# Allegro board NewTMR-March-2-2026 - Copy.brd (continued)
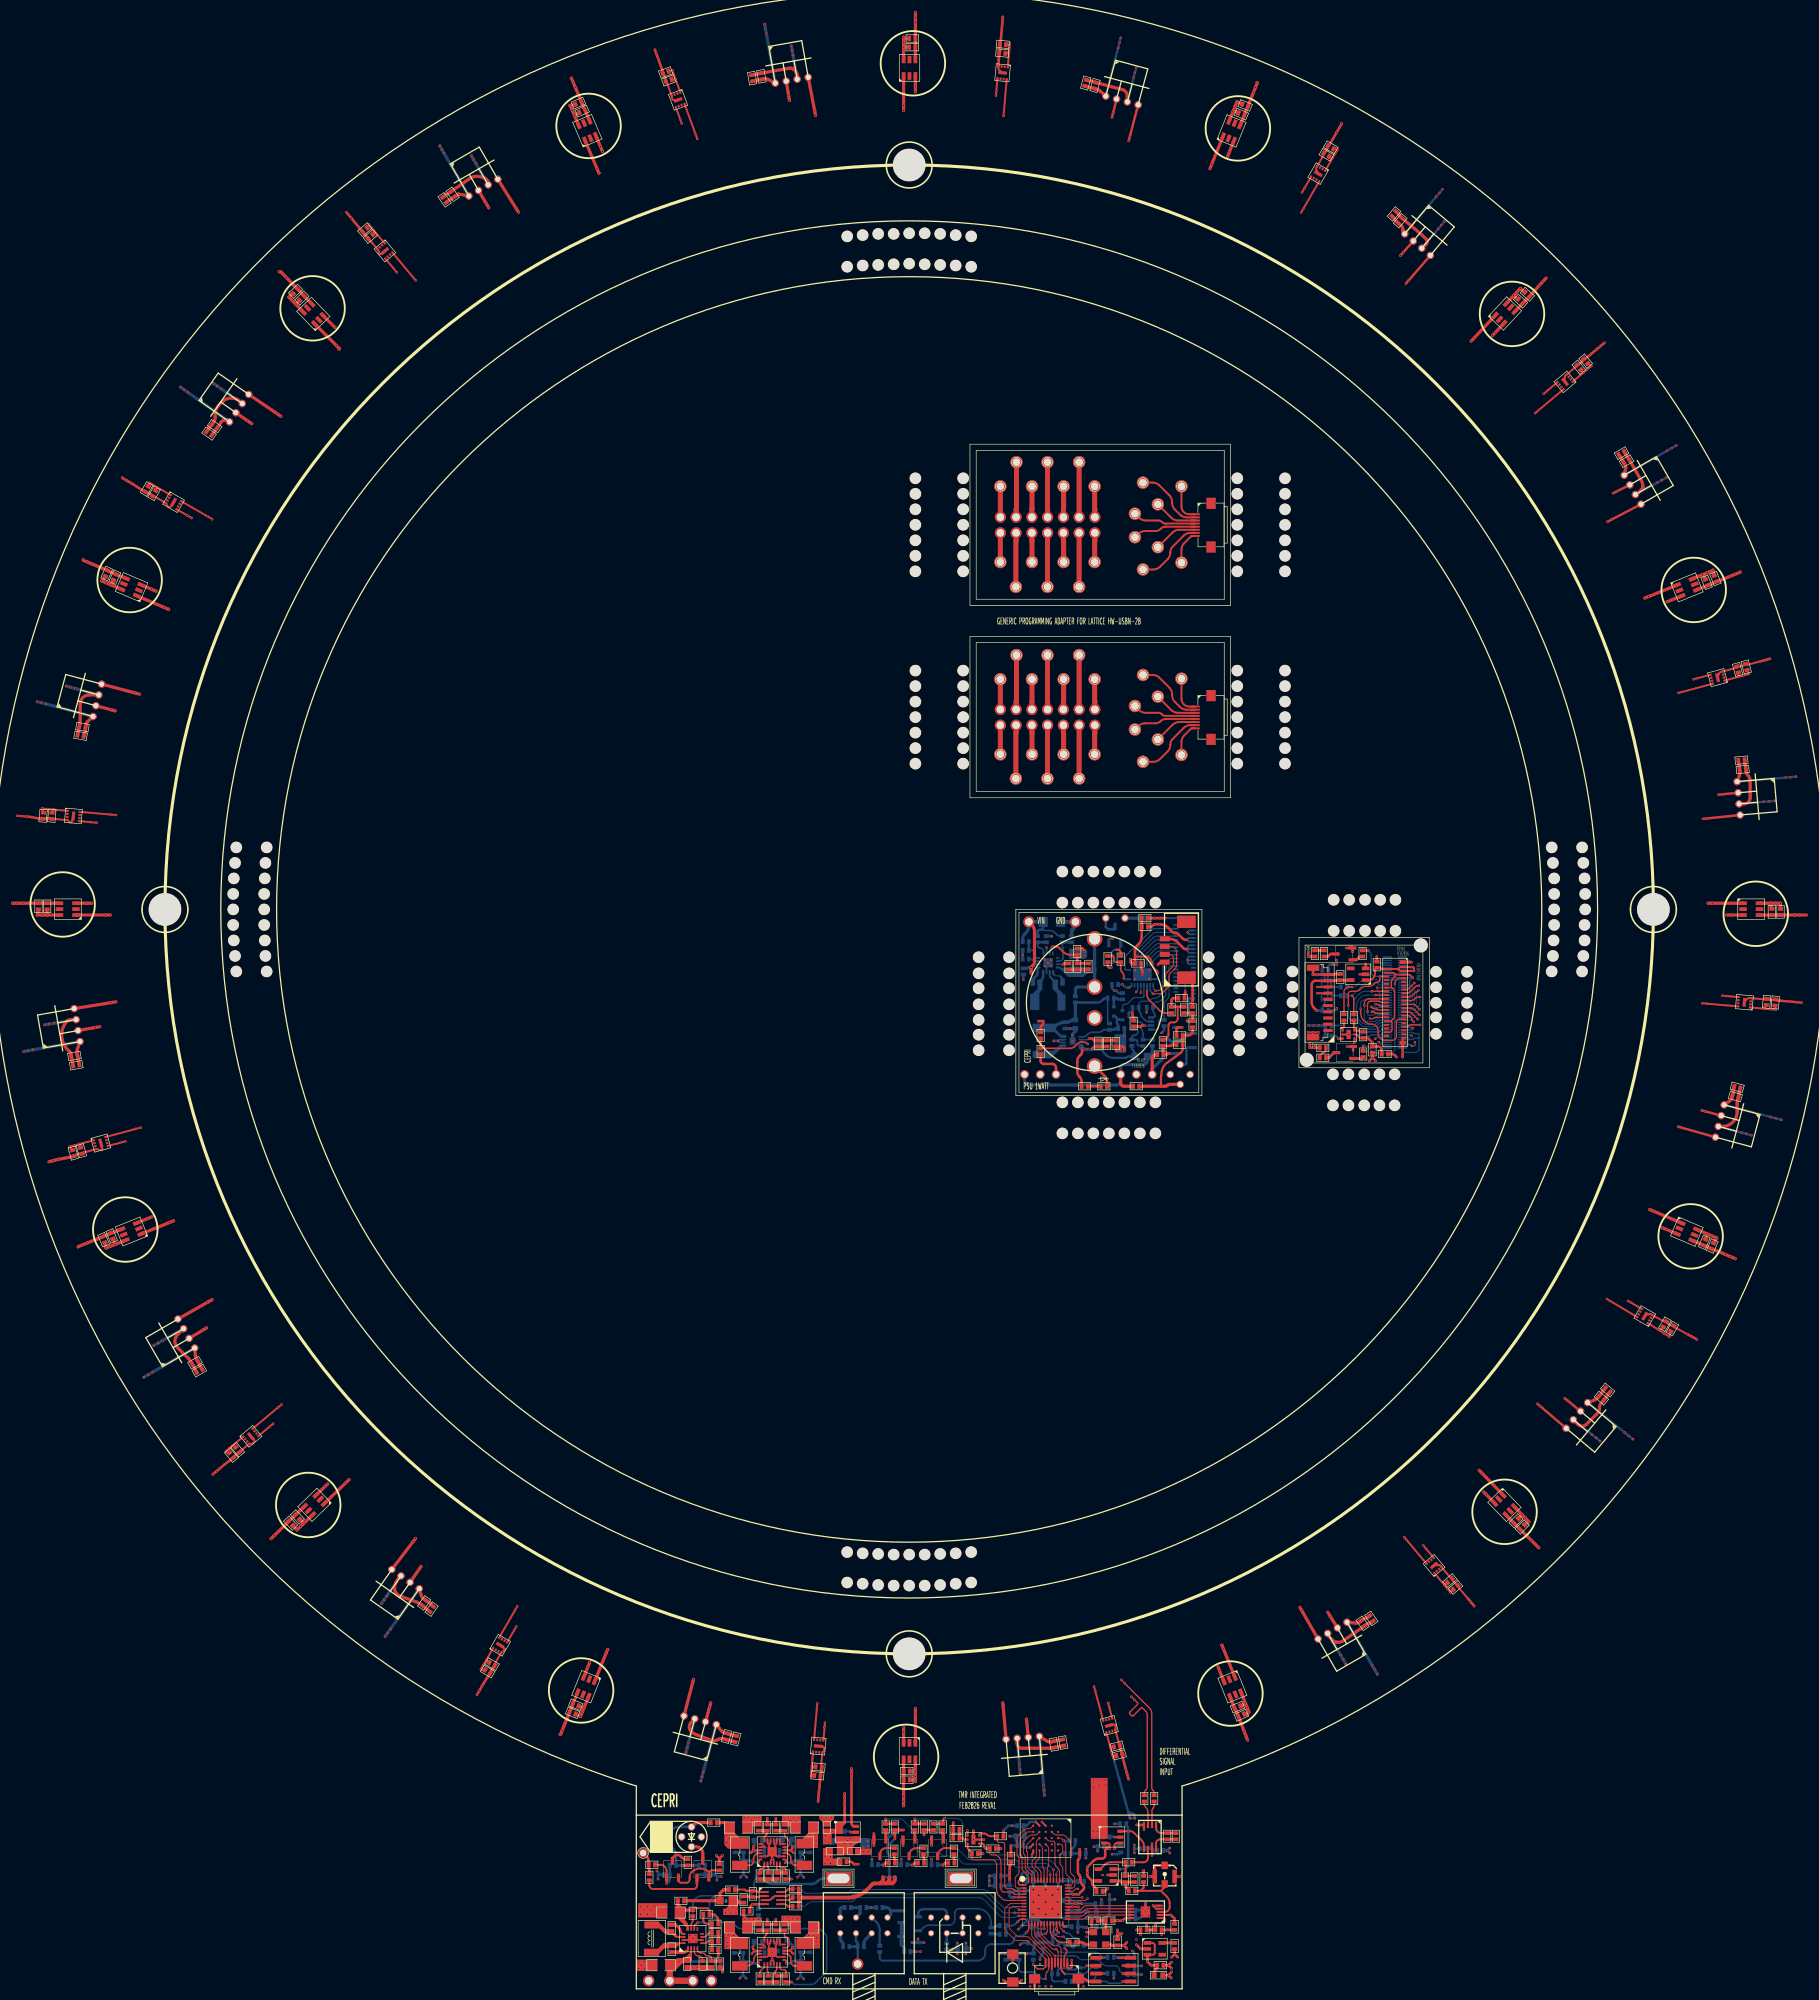
[diagram p0: board, top side]
## Routing (per net, layer and track width the routed paths; a pad name or vN(x,y) marks a point on that pad's centre or on a via; arc(x,y) is an arc through that point) (continued)
  TOP w0.4: v1(180.1,9.1) C118.2 C117.2 v1(178.7,9.1) ; v1(131.1,34.3) v1(131.1,33.4) v1(131.1,32.6) 131.1,25.45 arc(131.23,25.13) 131.55,25 U49.6
  TOP w0.5: v1(192.6,301.39) 192.88,301.46 C14.1 ; v1(192.6,301.39) 192.93,302.19 ; v1(192.6,301.39) U7.6 ; C11.1 v1(85.7,302.4) 85.75,302.38 v1(86.07,301.62) v1(86.43,300.79) ; U30.6 v1(12.42,118.82) ; v1(12.42,118.82) v1(11.69,118.53) v1(10.9,118.21) C60.1 ; v1(12.42,118.82) C59.1 ; C50.1 v1(280.9,173.8) v1(280,173.8) v1(279.2,173.8) ; U19.6 v1(268.33,226.76) ; v1(268.33,226.76) v1(269.14,227.09) 269.97,227.42 v1(270,227.5) C37.1 ; v1(268.33,226.76) 268.56,226.63 C38.1 ; C31.1 256.06,245.98 C32.1 258.45,241.93 arc(258.64,241.47) 258.7,240.98 258.7,240.86 arc(258.67,240.71) 258.59,240.59 257.79,239.79 arc(257.67,239.71) 257.52,239.68 U16.3 ; U22.3 275.02,189.81 arc(275.71,190.1) 276,190.8 276,193.49 arc(275.89,194.04) 275.58,194.51 275.56,194.52 arc(275.41,194.75) 275.33,195.01 C44.1 275.24,196.07 275.16,196.23 C43.1 ; v1(1.4,171.9) v1(0.6,171.9) v1(-0.2,171.9) C47.1 ; v1(1.4,171.9) U24.6 ; v1(1.4,171.9) C48.1 ; C49.1 v1(279.2,173.8) ; v1(279.2,173.8) U25.6 ; C88.1 111.6,38.8 C87.1 110.38,39.11 arc(110.05,39.14) 109.74,39.06 109.46,38.93 arc(108.97,38.81) 108.46,38.89 106.14,39.74 arc(105.65,39.98) 105.23,40.32 arc(104.93,41.03) 105.23,41.74 U44.3 ; U3.3 122.35,307.3 arc(122.28,307.63) 122.09,307.91 121.8,308.2 arc(121.77,308.23) 121.73,308.26 arc(121.41,308.4) 121.06,308.4 C6.1 115.79,307.48 115.71,307.42 C7.1 ; C72.1 239.04,75.04 arc(239.08,75.08) 239.11,75.12 v1(239.21,75.24) ; C12.1 v1(193.25,303) v1(192.91,302.15) ; C89.1 164.6,37.88 164.6,37.84 C90.1 163.35,37.62 arc(163.13,37.59) 162.91,37.58 158.57,37.58 arc(158.03,37.8) 157.81,38.33 U46.3 ; U27.3 5.14,155.05 arc(4.87,154.99) 4.64,154.84 4.6,154.8 arc(3.75,152.38) 4.85,150.06 4.97,149.96 arc(5.14,149.74) 5.23,149.48 C53.1 5.42,148.43 5.48,148.27 C54.1 ; U13.6 v1(41.49,270.36) ; v1(41.49,270.36) 41.49,270.39 C25.1 ; v1(41.49,270.36) v1(40.89,270.97) v1(40.38,271.5) 40.98,272.1 C23.1 ; C96.1 141.1,32.5 v1(141.4,32.2) v1(141.4,33) v1(141.4,33.8) ; U12.6 v1(237.87,271.75) ; v1(237.87,271.75) v1(238.4,272.33) v1(238.94,272.9) 239.54,272.3 C24.1 ; v1(237.87,271.75) 238.42,271.2 C26.1 ; U37.6 v1(239.21,75.24) ; v1(239.21,75.24) v1(239.77,74.67) v1(240.32,74.1) C74.1 ; U40.3 207.88,56.02 arc(207.92,55.83) 208.03,55.67 208.85,54.85 arc(208.98,54.76) 209.12,54.71 209.3,54.68 arc(209.88,54.69) 210.4,54.92 C80.1 214.35,57.69 214.65,57.71 C79.1 ; C55.1 274.22,143.35 274.28,143.15 C56.1 273.99,142.07 arc(273.92,141.75) 273.9,141.42 273.9,140.17 arc(273.21,138.51) 271.56,137.82 U28.3 ; C67.1 253.03,94.56 arc(252.97,94.48) 252.92,94.38 252.88,94.32 arc(252.83,94.22) 252.77,94.14 C68.1 251.99,93.21 arc(251.77,92.84) 251.7,92.42 251.7,92.35 arc(251.62,91.93) 251.39,91.59 249.59,89.79 arc(248.91,89.51) 248.24,89.79 U34.3 ; U6.6 v1(86.43,300.79) ; v1(86.43,300.79) C13.1 ; C61.1 v1(269.04,120.5) ; v1(269.04,120.5) U31.6 ; v1(269.04,120.5) v1(269.8,120.18) 270.58,119.85 v1(270.6,119.8) C62.1 ; U9.3 72.52,289.94 arc(72.47,290.16) 72.35,290.35 72.17,290.53 arc(71.87,290.75) 71.52,290.87 71.01,290.96 arc(70.25,290.94) 69.55,290.63 C17.1 65.86,288.05 65.65,288.05 C18.1 ; 139.5,311.68 v1(139.5,311.7) v1(139.5,312.6) v1(139.5,313.4) 139.7,313.2 C1.1 ; 139.5,311.68 U1.6 ; 139.5,311.68 139.62,311.8 C3.1 ; C9.1 C10.1 174.76,304.96 arc(175.35,304.56) 175.58,303.89 U5.3 ; 10.22,225.75 v1(10.96,225.44) v1(11.71,225.12) ; 10.22,225.75 C35.1 ; 10.22,225.75 v1(10.2,225.8) ; C84.1 194.09,44.4 v1(194.59,44.9) ; C83.1 87.66,44.17 arc(87.73,44.15) 87.8,44.13 v1(87.97,44.1) ; v1(141.4,33.8) 141.3,33.9 C94.1 ; v1(141.4,33.8) U48.6 ; C86.1 194.9,43.1 v1(195.19,43.4) v1(194.88,44.18) v1(194.59,44.9) ; v1(194.59,44.9) U43.6 ; C71.1 v1(42.87,73.91) ; v1(42.87,73.91) U36.6 ; v1(42.87,73.91) v1(42.26,73.33) v1(41.7,72.79) C73.1 ; C85.1 v1(87.4,42.68) v1(87.7,43.41) v1(87.97,44.1) ; C42.1 6.45,201.68 C41.1 6.7,202.85 arc(6.73,203.07) 6.73,203.28 6.73,205.93 arc(7.16,206.95) 8.18,207.38 U21.3 ; C19.1 219.43,284.77 219.43,284.67 C20.1 223.06,281.55 223.8,280.81 arc(223.95,280.45) 223.8,280.1 223.72,280.02 223.69,280.02 U10.3 ; U42.6 v1(87.97,44.1) ; v1(11.71,225.12) U18.6 ; v1(11.71,225.12) C36.1 ; U33.3 22.44,104.26 arc(22.01,103.21) 22.44,102.15 24.16,100.43 arc(24.38,100.19) 24.56,99.91 C65.1 25.14,98.91 25.16,98.79 C66.1 ; U15.3 32.61,254.61 arc(31.11,255.23) 29.61,254.61 29.1,254.1 arc(28.65,253.44) 28.5,252.66 28.5,252.1 arc(28.44,251.73) 28.28,251.4 C29.1 27.5,250.5 27.5,250.37 C30.1 ; U39.3 58.08,65 arc(57.83,64.68) 57.64,64.3 57.5,63.9 arc(57.55,62.82) 58.35,62.09 60.95,61.16 arc(61.25,61.03) 61.54,60.85 C77.1 C78.1
  VCC w0.5: v1(178.7,9.1) v1(180.1,9.1) 180.74,9.74 arc(181.15,10.36) 181.3,11.1 181.3,12.79 arc(181.49,13.72) 182.01,14.51 182.04,14.54 arc(182.53,15.27) 182.7,16.14 182.7,16.86 arc(182.84,17.54) 183.22,18.12 183.28,18.18 arc(183.52,18.53) 183.6,18.96 183.6,22.36 arc(183.41,23.32) 182.87,24.13 181.43,25.57 arc(180.62,26.11) 179.66,26.3 v1(176.8,26.3) v1(176,26.3)
  BOTTOM w0.38: U28.3 v1(274.6,136.83) v1(275.37,136.62) v1(276.2,136.4) ; U34.3 v1(250.52,88.12) v1(251.16,87.61) v1(251.8,87.1) ; U5.3 v1(176.59,306.9) v1(176.79,307.7) v1(177,308.5) ; U16.3 v1(261.04,241.61) v1(261.76,242) v1(262.5,242.4) ; v1(226.7,283.7) v1(226.17,283.08) v1(225.71,282.53) U10.3 ; U22.3 v1(278.17,190.15) v1(279.09,190.22) v1(280,190.3)
  BOTTOM w0.4: v1(172.83,37.76) v1(173.05,36.94) v1(173.3,36.1) 175.72,27.31 ; 175.72,27.31 v1(176,26.3) v1(176.8,26.3) 176.7,26.9 175.72,27.31
  BOTTOM w0.5: U33.3 v1(20,103.29) v1(19.3,102.9) v1(18.6,102.5) ; U3.3 v1(121.67,310.49) v1(121.54,311.23) v1(121.4,312) ; U27.3 v1(2.47,154.44) v1(1.71,154.32) v1(1,154.2) ; U44.3 v1(104.81,38.47) v1(104.61,37.69) v1(104.4,36.9) ; v1(4.5,208.8) v1(5.15,208.62) v1(5.96,208.4) U21.3 ; v1(210.8,51.2) v1(210.38,51.91) v1(209.96,52.62) U40.3 ; v1(158.3,33.4) v1(158.23,34.21) v1(158.17,34.97) U46.3 ; v1(28.2,257.6) v1(28.81,257.18) v1(29.5,256.69) U15.3 ; v1(55.3,60.9) v1(55.74,61.52) v1(56.19,62.16) U39.3 ; v1(69.8,294.3) v1(70.14,293.72) v1(70.5,293.09) U9.3
SCL: length 14
  TOP w0.16: R17.1 153.4,20.7 arc(153.49,20.49) 153.7,20.4 154.02,20.4 arc(154.46,20.31) 154.83,20.06 arc(155.1,19.65) 155.2,19.17 155.2,14.89 arc(155.34,14.54) 155.69,14.4 156.63,14.4 arc(156.97,14.33) 157.26,14.14 157.29,14.11 arc(157.36,14.06) 157.44,14.05 U57.4
  TOP w0.3: R17.1 152.7,21.4 152.5,21.6 152.5,21.91 arc(152.41,22.12) 152.2,22.21 U53.1
SCL2: length 41.9
  TOP w0.16: U57.11 v1(158.1,10.55)
  TOP w0.25: U56.5 120.28,12.45 arc(120.49,12.41) 120.66,12.29 v1(120.85,12.1) R39.1
  BOTTOM w0.16: v1(158.1,10.55) 157.87,10.55 arc(157.72,10.52) 157.59,10.43 157.58,10.42 arc(157.45,10.33) 157.3,10.3 155.63,10.3 arc(155.33,10.36) 155.07,10.53 152.33,13.27 arc(152.07,13.44) 151.77,13.5 132.23,13.5 arc(131.93,13.44) 131.67,13.27 131.33,12.93 arc(131.24,12.87) 131.13,12.85 124.89,12.85 arc(124.39,12.75) 123.97,12.47 123.83,12.33 arc(123.57,12.16) 123.27,12.1 v1(120.85,12.1)
SCL3: length 11.9
  BOTTOM w0.18: J3.18 182.64,164.3 arc(182.05,164.05) 181.8,163.46 181.8,159.31 arc(181.72,158.93) 181.51,158.61 181.09,158.19 arc(180.77,157.98) 180.39,157.9 180.38,157.9 arc(179.9,157.7) 179.7,157.22 R90.1
  BOTTOM w0.25: U65.5 179.72,155.38 arc(179.96,155.48) 180.05,155.71 180.05,155.74 arc(180.02,155.93) 179.91,156.09 179.86,156.14 arc(179.74,156.32) 179.7,156.53 R90.1
SDA: length 16.6
  TOP w0.16: U57.6 156.18,13.05 arc(155.69,13.15) 155.28,13.42 154.88,13.82 arc(154.6,14.24) 154.5,14.73 154.5,18.79 arc(154.26,19.36) 153.69,19.6 150.7,19.6 arc(150.56,19.66) 150.5,19.8 R21.1
  TOP w0.3: U53.6 149.8,21.78 arc(149.87,21.43) 150.07,21.13 150.5,20.7 R21.1
SDA2: length 41.8
  TOP w0.16: U57.10 v1(157.4,11.05)
  TOP w0.25: U56.6 v1(120.9,13.1) 121.08,13.1 arc(121.19,13.12) 121.29,13.19 R35.1
  BOTTOM w0.16: v1(120.9,13.1) 121.17,13.37 arc(121.43,13.54) 121.73,13.6 122.9,13.6 arc(123.09,13.56) 123.24,13.46 arc(123.29,13.43) 123.35,13.41 130.54,13.41 arc(130.7,13.45) 130.83,13.53 131.17,13.87 arc(131.43,14.04) 131.73,14.1 152.17,14.1 arc(152.47,14.04) 152.73,13.87 155.32,11.28 arc(155.58,11.11) 155.88,11.05 v1(157.4,11.05)
SDA3: length 15.6
  BOTTOM w0.18: J3.20 182.74,164.9 arc(181.72,164.48) 181.3,163.46 181.3,159.69 arc(181.29,159.5) 181.24,159.32 180.69,158.76 arc(180.4,158.57) 180.05,158.5 179.94,158.5 arc(179.63,158.44) 179.36,158.26 179.34,158.24 arc(179.07,158.06) 178.76,158 177.88,158 arc(177.54,157.86) 177.4,157.52 R93.1
  BOTTOM w0.25: U65.6 179.02,154.73 arc(178.69,154.79) 178.42,154.98 177.83,155.57 arc(177.81,155.7) 177.8,155.83 arc(177.77,155.99) 177.68,156.12 177.58,156.22 arc(177.45,156.42) 177.4,156.66 R93.1
SYNC-1: length 5.2
  TOP w0.2: R46.1 120.3,7.3 arc(120.36,7.16) 120.5,7.1 120.66,7.1 arc(120.9,7) 121,6.76 121,5.81 arc(120.9,5.55) 120.65,5.45 U61.11
  TOP w0.5: R45.2 119.7,8.21 119.71,8.2 R46.1
SYNC-2: length 4.9
  TOP w0.18: U54.11 120.51,21.65 arc(120.72,21.69) 120.9,21.81 arc(121.11,22.3) 120.9,22.8 120.56,23.14 arc(120.37,23.43) 120.3,23.77 R12.1
  TOP w0.5: R11.2 119.7,24.3 119.71,24.29 R12.1
TXD1_1V8: length 5.3
  TOP w0.4: v1(184.9,159.6) 184.9,159.19 184.8,159.09 R123.1
  BOTTOM w0.2: v1(184.9,159.6) 184.9,161.84 arc(184.71,162.31) 184.24,162.5 J3.12
UPLD_TXD1: length 3.8
  TOP w0.4: TP1.1 98.07,20.13 arc(98.32,19.77) 98.4,19.34 R24.1 98.4,18.21 98.5,18.11 R30.1
VCAP_PSU: length 23.6
  VCC w0.381: 170.3,166.62 C188.3 ; C188.3 168.87,168.05 ; C188.3 171.73,168.05 ; C188.3 170.3,169.48 ; 170.3,158.87 C188.1 ; C188.1 171.73,160.3 ; C188.1 170.3,161.73 ; C188.1 168.87,160.3
  BOTTOM w0.5: R92.2 167.2,160 167.5,160.3 C188.1 R91.1 C188.3
X1: length 157.8
  TOP w0.2: R1.1 178.3,30.32 arc(178.35,30.58) 178.5,30.8 178.56,30.86 arc(178.74,31.13) 178.8,31.43 178.8,42.89 arc(178.72,43.27) 178.51,43.59 178.05,44.05 arc(177.9,44.11) 177.76,44.05 176.55,42.84 arc(176.4,42.78) 176.26,42.84 175.98,43.12 arc(175.92,43.26) 175.98,43.4 177.2,44.62 arc(177.26,44.76) 177.2,44.9 v1(176.7,45.4) v1(176.2,45.9)
  TOP w0.3: U14.5 v1(243.22,256.35) v1(242.7,255.91) ; U35.5 v1(37.28,89.43) v1(37.84,89.9) ; v1(172.5,44.9) 172.48,44.86 v1(172.63,44.29) U45.5 ; v1(57.79,275.5) v1(57.31,276.07) U11.5 ; v1(14,135.41) v1(13.22,135.21) U29.5 ; U38.5 v1(223.69,69.81) v1(223.3,70.28) ; v1(271.5,158.9) v1(272.23,158.84) U26.5 ; U47.5 v1(126.75,40.98) v1(126.82,41.7) ; v1(203.75,288.4) v1(204.12,289.04) U8.5 ; v1(256.3,109.7) v1(256.83,109.39) U32.5 ; U20.5 v1(267.58,210.09) v1(266.9,209.91) ; U4.5 v1(103.48,300.18) v1(103.72,299.5) ; v1(77.05,57.2) v1(76.68,56.56) U41.5 ; 22.28,237.3 v1(24.01,236.3) v1(24.71,235.9) ; U2.5 v1(154.45,304.67) v1(154.39,304) ; U23.5 v1(8.45,186.87) v1(9.4,186.78)
  TOP w0.38: v1(253.9,239.9) v1(254.57,240.24) U16.2 ; U22.2 v1(271.63,191.37) v1(270.9,191.3) ; v1(173.1,300.5) v1(173.28,301.23) U5.2 ; v1(219.6,278.2) v1(220.06,278.72) 221.68,280.54 ; U28.2 v1(268.83,140.23) v1(268.2,140.4) ; 248.64,91.92 v1(246.62,93.58) v1(246.1,94)
  TOP w0.5: v1(262.6,222.39) v1(263.38,222.71) U19.3 ; v1(18.97,224.1) v1(18.21,224.42) U18.3 ; v1(108.4,44.9) v1(108.21,44.2) U44.2 ; v1(9.9,153.9) v1(9.18,153.77) U27.2 ; v1(47.8,266.6) 47.8,266.62 v1(47.26,267.16) U13.3 ; U9.2 v1(72.19,286.6) v1(72.6,285.9) ; U46.2 v1(159.37,41.64) v1(159.3,42.3) ; v1(261.83,121.5) v1(262.49,121.22) U31.3 ; v1(46.64,80.2) v1(46.18,79.75) U36.3 ; v1(121.1,303.2) v1(120.97,303.97) U3.2 ; v1(190.2,50.69) v1(190.45,50.06) U43.3 ; v1(90.95,295) v1(90.62,295.77) U6.3 ; U15.2 v1(33.67,251.61) v1(34.4,251.1) ; U39.2 v1(61.29,66.31) v1(61.7,66.9) ; v1(233.04,78.9) v1(233.48,78.45) U37.3 ; v1(234.45,265.3) v1(234.9,265.78) U12.3 ; v1(18.3,123.25) v1(17.53,122.93) U30.3 ; U33.2 v1(26.48,104.96) v1(27.08,105.33) ; v1(88.87,51.4) v1(88.6,50.73) U42.3 ; v1(207.9,59.5) v1(208.29,58.88) U40.2 ; U25.3 v1(272.9,171.9) v1(272.2,171.9) ; U21.2 v1(11.77,204.97) v1(12.4,204.8) ; U48.3 v1(139.5,40.2) v1(139.5,40.9) ; v1(141.4,304.6) v1(141.4,305.5) U1.3 ; U7.3 v1(192.03,294.89) v1(191.75,294.22) ; U24.3 v1(7.7,173.8) v1(8.6,173.8)
X2: length 302.4
  TOP w0.2: v1(174.6,48.6) v1(175.15,48.05) 179.21,43.99 arc(179.42,43.67) 179.5,43.29 179.5,31.26 arc(179.55,31.02) 179.69,30.81 179.71,30.79 arc(179.85,30.58) 179.9,30.34 R2.1
  TOP w0.3: v1(155.61,300.7) v1(155.68,301.51) U2.8 ; U32.8 v1(253.46,109.67) v1(252.9,110) ; v1(268.3,157.67) v1(269.04,157.61) U26.8 ; U8.8 v1(203.94,285.73) v1(203.6,285.14) ; U41.8 v1(76.84,59.83) v1(77.2,60.46) ; U35.8 v1(38.64,92.53) v1(39.2,93) ; U17.8 v1(27.29,236.14) 27.99,235.74 v1(28,235.7) ; U38.8 v1(220.63,71.13) v1(220.23,71.6) ; v1(241.32,252.8) v1(241.89,253.28) U14.8 ; v1(106.23,297) v1(105.98,297.7) U4.8 ; v1(12.5,188.02) v1(11.65,188.09) U23.8 ; U47.8 v1(125.52,44.08) v1(125.58,44.8) ; U29.8 v1(15.7,137.42) v1(16.5,137.64) ; U20.8 v1(265.09,207.88) v1(264.43,207.7) ; U45.8 v1(170.39,46.85) 170.22,47.49 v1(170.2,47.5) ; U11.8 v1(60.39,274.73) v1(60.83,274.2)
  TOP w0.38: v1(175.8,296.7) v1(175.99,297.43) U5.4 ; v1(241.7,93.1) v1(242.21,92.66) U34.4 ; U28.4 v1(265.12,137.57) v1(264.39,137.77) ; U10.4 v1(220.95,274.22) v1(220.5,273.7) ; U22.4 v1(269.07,187.47) v1(268.4,187.4) ; v1(253,235.3) v1(253.6,235.61) U16.4
  TOP w0.5: U37.1 v1(232.78,81.91) v1(232.3,82.4) ; U39.4 v1(60.4,70.88) v1(60.8,71.4) ; v1(231.01,264.4) v1(231.5,264.92) U12.1 ; U9.4 v1(76.98,285.87) v1(77.4,285.2) ; U18.1 v1(20.25,221.49) 20.97,221.19 v1(21,221.2) ; 89.69,48.36 v1(91.5,52.83) 91.76,53.49 v1(91.8,53.5) ; v1(190.8,54.2) 190.84,54.19 v1(191.07,53.59) 192.91,49.06 ; v1(155.5,44.9) v1(155.57,44.16) U46.4 ; v1(90.4,291.5) 90.36,291.52 v1(90.06,292.23) U6.1 ; v1(28,109.9) v1(27.29,109.49) U33.4 ; v1(21.8,122.61) v1(21.11,122.33) 16.56,120.49 ; U1.1 v1(139.5,302.4) v1(139.5,301.6) ; U24.1 v1(10.8,171.9) v1(11.6,171.9) ; 191.01,297.44 v1(189.17,292.89) v1(188.89,292.2) ; U31.1 v1(260.49,124.13) 259.83,124.41 v1(259.8,124.4) ; U13.1 v1(48.02,263.72) 48.5,263.23 v1(48.5,263.1) ; U25.1 v1(269.9,173.8) v1(269.2,173.8) ; 264.24,225.11 v1(259.62,223.24) v1(259,222.99) ; U3.4 v1(125.16,301.53) v1(125.3,300.8) ; v1(39.1,252.3) v1(38.45,252.74) U15.4 ; v1(203.4,60.3) v1(203.71,59.77) U40.4 ; U44.4 v1(105.47,48.09) 105.47,48.09 105.47,48.11 v1(105.62,48.69) ; U27.4 v1(11.66,157.77) v1(12.5,157.9) ; U48.1 v1(141.4,43.2) v1(141.4,44) ; U36.1 v1(49.54,80.36) v1(50.1,80.9) ; v1(16.3,207.5) v1(15.54,207.7) U21.4
N1648364: length 8.3
  TOP w0.25: U57.30 v1(167.2,12.54) v1(168.3,12.54)
  BOTTOM w0.3: C155.1 166.8,13 167.2,12.6 ; 167.2,12.6 v1(167.2,12.54) ; 167.2,12.6 167.4,12.8 168.04,12.8 v1(168.3,12.54) 169.79,12.54 169.82,12.5 C156.1
  BOTTOM w0.4: C156.1 170.4,11.91 170.6,11.71 FB2.1
N1648368: length 5.7
  TOP w0.25: U57.5 v1(158.1,13.55) v1(157.2,13.55)
  BOTTOM w0.4: v1(157.2,13.55) 156.81,13.55 156.6,13.76 FB1.1 157.4,14.5 157.5,14.6 C154.1 v1(158.1,13.55)
N1648564: length 1.9
  TOP w0.4: U62.3 v1(171.73,1.26)
  BOTTOM w0.4: v1(171.73,1.26) 172.12,1.26 172.16,1.3 R86.1
N1648568: length 2.1
  TOP w0.4: U62.7 v1(174.87,2.53)
  BOTTOM w0.35: v1(174.87,2.53) 174.9,2.5 R83.1
N1648824: length 7
  TOP w0.25: v1(167.7,12.04) v1(166.7,12.04) U57.29
  BOTTOM w0.3: C160.1 167.7,11.3 v1(167.7,12.04) ; C161.1 166.1,11.8 166.34,12.04 v1(166.7,12.04)
  BOTTOM w0.4: R68.1 168.2,11.2 168.19,11.2 C160.1 C161.1
N1648996: length 4.6
  TOP w0.25: U57.24 165.16,9.03 165.38,8.8 v1(165.7,8.8)
  BOTTOM w0.3: D6.1 164.62,9.4 165.22,8.8 v1(165.7,8.8) C165.1
N1650132: length 8.4
  TOP w0.3: U52.E4 v1(159.9,21.6) ; U52.D1 v1(160.8,25.7)
  BOTTOM w0.4: v1(160.8,25.7) 159.9,25.7 159.3,25.1 L7.1 158.8,24.51 159,24.31 C129.1 159,22.76 158.8,22.56 C135.1 159.1,21.6 v1(159.9,21.6)
N1650410: length 1.5
  TOP w0.4: Q1.1 136.62,23.69 136.6,23.72 R4.2
N1650418: length 1.5
  TOP w0.4: R6.2 141.3,23.91 141.32,23.89 Q2.1
N1650426: length 1.6
  TOP w0.4: R9.2 145.8,23.82 145.92,23.69 Q3.1
N3114235: length 4.6
  TOP w0.25: L6.1 121.75,2.5 121.3,2.95 121.3,3.95 120.8,4.45 U61.9
N3114271: length 2
  TOP w0.22: R54.1 117.7,1.44 117.55,1.59 U61.2
N3114319: length 6.1
  TOP w0.25: U61.7 120.45,3.45 120.6,3.3 v1(120.6,2.9)
  BOTTOM w0.4: v1(120.6,2.9) 120.94,2.9 arc(121.18,2.95) 121.38,3.08 121.42,3.12 arc(121.62,3.25) 121.86,3.3 R81.2 R72.1 C172.1
N3114529: length 3.1
  TOP w0.25: R44.1 117.5,7.93 arc(117.46,7.72) 117.34,7.54 117.26,7.46 arc(117.1,7.23) 117.05,6.95 U61.18
  TOP w0.5: R44.1 116.91,8.2 116.89,8.22 C113.2
N3114639: length 4.4
  TOP w0.22: U61.22 116.16,4.45 arc(115.62,4.23) 115.4,3.69 115.4,3.68 arc(115.05,2.85) 114.22,2.5 L5.1
N3114667: length 2.2
  TOP w0.22: U61.1 117.05,2.53 arc(117.01,2.33) 116.89,2.15 116.52,1.78 arc(116.36,1.54) 116.3,1.25 R53.1
N3114699: length 6.1
  TOP w0.25: U61.24 116.25,3.45 116.1,3.3 v1(116.1,2.9)
  BOTTOM w0.4: C173.1 R73.1 R82.2 114.61,3.2 arc(114.79,3.17) 114.93,3.07 114.97,3.03 arc(115.11,2.93) 115.29,2.9 v1(116.1,2.9)
N3116255: length 4.5
  TOP w0.25: L3.1 122.15,18.7 arc(121.55,18.95) 121.3,19.55 121.3,19.9 arc(121.08,20.43) 120.55,20.65 U54.9
N3116291: length 1.5
  TOP w0.25: U54.2 117.55,18.6 arc(117.57,18.52) 117.61,18.45 117.64,18.42 arc(117.68,18.35) 117.7,18.27 R27.1
N3116339: length 6.2
  TOP w0.25: v1(120.4,19.1) 120.54,19.24 120.54,19.54 120.43,19.65 U54.7
  BOTTOM w0.4: v1(120.4,19.1) 121.26,19.1 arc(121.48,19.14) 121.67,19.27 121.73,19.33 arc(121.92,19.46) 122.14,19.5 R61.2 R58.1 C138.1
N3116549: length 3
  TOP w0.25: R10.1 117.5,23.99 arc(117.45,23.76) 117.32,23.56 117.21,23.45 arc(117.09,23.27) 117.05,23.07 U54.18
  TOP w0.5: C99.2 116.89,24.31 116.91,24.29 R10.1
N3116659: length 4.6
  TOP w0.25: L2.1 114.62,18.7 arc(115.1,18.9) 115.3,19.38 115.3,19.74 arc(115.57,20.38) 116.21,20.65 U54.22
N3116687: length 2.1
  TOP w0.25: R26.1 116.3,17.99 arc(116.36,18.14) 116.51,18.2 116.81,18.2 arc(116.89,18.22) 116.96,18.26 116.99,18.29 arc(117.03,18.36) 117.05,18.44 U54.1
N3116719: length 5.9
  TOP w0.25: U54.24 116.29,19.65 116.16,19.52 v1(116.16,19.2)
  BOTTOM w0.4: C139.1 R59.1 R62.2 114.63,19.5 arc(114.79,19.47) 114.92,19.38 114.98,19.32 arc(115.12,19.23) 115.28,19.2 v1(116.16,19.2)
N3119651: length 5
  TOP w0.2: R51.1 108.5,3.81 arc(108.41,4.01) 108.21,4.1 108.03,4.1 arc(107.73,4.16) 107.46,4.34 107.43,4.37 arc(107.17,4.54) 106.87,4.6 106.77,4.6 arc(106.4,4.75) 106.25,5.12 U59.4
  TOP w0.4: R51.1 109.09,3.31 109.1,3.31 R52.2
N3122265: length 7.3
  TOP w0.25: U59.10 105.75,8.73 arc(105.79,8.94) 105.91,9.11 v1(106.3,9.5)
  BOTTOM w0.25: v1(106.3,9.5) 107.06,9.5 arc(108.15,9.05) 108.6,7.96 R71.1
  BOTTOM w0.3: R71.1 R74.2
N3122703: length 2.8
  TOP w0.2: C123.2 107.1,3.44 arc(106.91,3.91) 106.44,4.1 arc(105.95,4.3) 105.75,4.79 U59.3
N3123371: length 10.4
  TOP w0.3: R40.1 105.8,11.8 107.83,11.8 108.2,11.43 C111.2 109,10.8 109.6,10.2 R43.1
  TOP w0.5: R40.1 103.8,11.5 C110.2 103.4,12 103.1,12.3 R38.2
N3124274: length 5.9
  TOP w0.25: R47.1 108.39,7.9 arc(108.24,7.87) 108.11,7.79 107.65,7.32 arc(107.47,7.2) 107.27,7.16 U59.7
  TOP w0.3: R43.2 107.8,9.3 arc(107.38,9.48) 107.2,9.9 C111.1
  TOP w0.4: R47.1 R43.2
N3124471: length 8.6
  TOP w0.5: R38.1 R37.1 109.9,14.2 110.5,14.8 R33.2
N3127570: length 3.1
  TOP w0.25: R48.1 108,6.5 107.66,6.16 U59.5
  TOP w0.4: R48.1 R50.2
N3144574: length 18.1
  TOP w0.3: v1(103.8,18.7) R22.1 v1(105.5,18.7)
  TOP w0.5: LD1.1 105.68,25.28 arc(106.03,25.52) 106.46,25.6 R3.2
  BOTTOM w0.4: R63.1 105.9,18.71 105.89,18.7 v1(105.5,18.7) v1(103.8,18.7) R64.1 102.8,20.3 arc(102.69,20.85) 102.38,21.32 102.32,21.38 arc(102.01,21.85) 101.9,22.4 101.9,23.71 arc(102.25,24.55) 103.09,24.9 LD1.1
N3144674: length 3.6
  TOP w0.5: LD1.2 106.07,21.7 arc(106.81,21.39) 107.12,20.65 107.12,19.44
N3144682: length 7.6
  TOP w0.3: v1(101.28,15.77) Q4.1 101.28,17.82 arc(100.99,18.51) 100.3,18.8 R24.2
  BOTTOM w0.4: R64.2 R66.1 101.8,16.46 arc(101.77,16.31) 101.69,16.18 101.55,16.05 101.55,16.05 v1(101.28,15.77)
N3144686: length 3.3
  TOP w0.4: R22.2 104.31,19.7 arc(104.02,19.76) 103.78,19.92 103.5,20.2 arc(103.05,20.39) 102.59,20.2 102.22,19.82 Q4.3
N3144698: length 14.4
  TOP w0.3: R30.2 98.5,15.5 arc(98.68,15.08) 99.1,14.9 105.64,14.9 arc(106.02,15.06) 106.18,15.43 v1(106.18,15.82)
  TOP w0.4: Q5.1 v1(106.18,15.82)
  BOTTOM w0.4: R63.2 R65.1 106.71,17.21 arc(106.33,17.05) 106.18,16.68 v1(106.18,15.82)
N3144846: length 9.8
  TOP w0.3: R25.1 108.58,17.9 arc(108.41,17.87) 108.27,17.77 108.1,17.6 ; 108.1,17.6 108.1,16.74 108.09,16.73 ; 108.1,17.6 108.07,17.63 arc(106.7,18.2) 105.33,17.63 arc(105.09,17.26) 105,16.83 105,16.4 arc(104.85,16.05) 104.5,15.9 103.65,15.9 arc(103.32,16.03) 103.19,16.35 Q4.2
N3153529: length 6.7
  BOTTOM w0.4: D5.2 D5.7 D5.6 146.47,6.66 146.45,6.64 R79.2
N3153778: length 6.6
  BOTTOM w0.4: 141.84,10.42 141.84,10.86 arc(142.07,11.41) 142.62,11.64 145.82,11.64 arc(146.28,11.45) 146.47,10.99 D5.3
N3267503: length 2.1
  TOP w0.25: R133.2 206.6,149.25 207.05,149.7 207.25,149.7 207.6,150.05 D10.1
N3267563: length 1.5
  TOP w0.4: R132.2 206.54,166.2 206.53,166.21 D11.1
N3267651: length 2
  TOP w0.4: Q11.3 208.33,165.62 207.92,165.2 R132.1
N3267655: length 2
  TOP w0.4: R133.1 208.09,148.9 208.91,149.72 Q12.3
N3267743: length 1.9
  TOP w0.4: Q11.1 212.53,164.68 213.06,165.21 R134.2
N3267747: length 1.7
  TOP w0.4: R137.2 213.38,148.78 Q12.1
N3268106: length 3.1
  TOP w0.3: R138.1 213.01,153.1 212.82,153.29 U67.6 212.2,153.66 212.1,153.76 R141.2
N3271476: length 3.7
  TOP w0.25: R142.2 v1(210.5,154.1) 210.5,153.86 210.3,153.66 U67.1
  BOTTOM w0.25: R135.1 v1(210.5,154.1)
N3452855: length 3.2
  TOP w0.4: R42.1 R41.1 Y1.1
N3452915: length 2.9
  TOP w0.4: Y1.3 168.97,5.94 arc(168.78,5.98) 168.61,6.09 168.55,6.15 arc(168.38,6.26) 168.19,6.3 R49.2
N3466785: length 4.9
  BOTTOM w0.5: Q7.1 139.13,7.71 139.11,7.68 Q6.3 139.11,5.88 139.6,5.39 R67.1
N3495436: length 3.2
  TOP w0.4: R107.1 R99.1 v1(168.4,163.1) C185.2
N3495602: length 3.9
  BOTTOM w0.25: R111.1 160.3,166.2 arc(160.51,166.11) 160.6,165.9 160.6,165.43 arc(160.74,165.09) 161.08,164.95 U63.4
  BOTTOM w0.4: R111.1 R98.2
N3495610: length 8.9
  TOP w0.3: v1(163.5,166.8) 163.98,166.8 arc(164.37,166.72) 164.7,166.5 165.26,165.94 arc(165.75,165.61) 166.32,165.5 R106.1
  TOP w0.4: C185.1 R99.2 R106.1
  BOTTOM w0.25: U63.7 163.05,166.06 arc(163.1,166.33) 163.26,166.56 v1(163.5,166.8)
N3495638: length 5.2
  BOTTOM w0.25: U63.10 164.63,164.45 arc(165.03,164.62) 165.2,165.02 165.2,166.6 165.1,166.7 R96.2
  BOTTOM w0.4: R96.2 R109.1
N3495642: length 3.8
  BOTTOM w0.25: U63.5 162.05,166 arc(161.87,166.42) 161.45,166.6 161.42,166.6 arc(161.31,166.62) 161.22,166.68 161.18,166.72 arc(161.12,166.81) 161.1,166.92 R97.2
  BOTTOM w0.4: R97.2 R110.1
N3495714: length 1.6
  BOTTOM w0.25: U63.3 160.76,164.45 arc(160.56,164.49) 160.38,164.61 160.35,164.64 arc(160.17,164.76) 159.97,164.8 C192.2
N3499160: length 22.5
  TOP w0.4: R100.2 161.6,153.66 arc(161.64,153.88) 161.77,154.07 161.85,154.15 arc(161.96,154.32) 162,154.51 v1(162,154.8) v1(161.2,154.8)
  BOTTOM w0.25: R104.2 172.53,154.57 arc(172.43,154.71) 172.4,154.89 R101.1
  BOTTOM w0.38: R101.1 172.11,158.5 arc(171.92,158.46) 171.75,158.35 171.52,158.12 arc(171.17,157.88) 170.74,157.8 R92.1
  BOTTOM w0.4: L10.1 v1(162,154.8) v1(161.2,154.8)
  BOTTOM w0.5: R92.1 C187.1 166.79,155 arc(166.58,154.96) 166.39,154.84 166.32,154.76 arc(166.14,154.64) 165.93,154.6 C186.2 165.47,154.6 arc(164.67,154.44) 163.98,153.98 163.8,153.8 L10.1
N3499358: length 10.8
  TOP w0.25: R108.2 166.28,150.4 arc(166.76,150.5) 167.17,150.77 167.5,151.1 arc(168.35,151.45) v1(169.2,151.1)
  TOP w0.4: R108.2 R100.1
  BOTTOM w0.2: v1(169.2,151.1) 168.95,151.35 U64.7
N3499470: length 9.7
  BOTTOM w0.25: U64.5 168.45,152.25 arc(168.73,152.31) 168.96,152.46 169.14,152.64 arc(169.54,152.91) 170.01,153 171.04,153 arc(171.28,153.05) 171.48,153.18 171.52,153.22 arc(171.72,153.35) 171.96,153.4 R104.1
  BOTTOM w0.38: R104.1 173.29,153.4 arc(173.4,153.42) 173.49,153.48 173.53,153.52 arc(173.62,153.58) 173.73,153.6 R114.2 174.1,154.07 arc(174.08,154.18) 174.02,154.27 173.98,154.31 arc(173.92,154.4) 173.9,154.51 173.9,155.1 ; 173.9,155.1 173.9,155.15 arc(173.77,155.47) 173.45,155.6 D8.1 ; 173.9,155.1 174.21,155.1 174.31,155 D9.1
N3499478: length 5.8
  TOP w0.4: v1(169.4,152) 169.9,152 170.2,151.7 C189.2 R102.1 R115.2
  BOTTOM w0.2: v1(169.4,152) 169.2,151.8 U64.6
N3499574: length 2.1
  TOP w0.4: R105.1 D7.2
